# Altium PCB BB.PcbDoc (part 7 of 9) (continued)
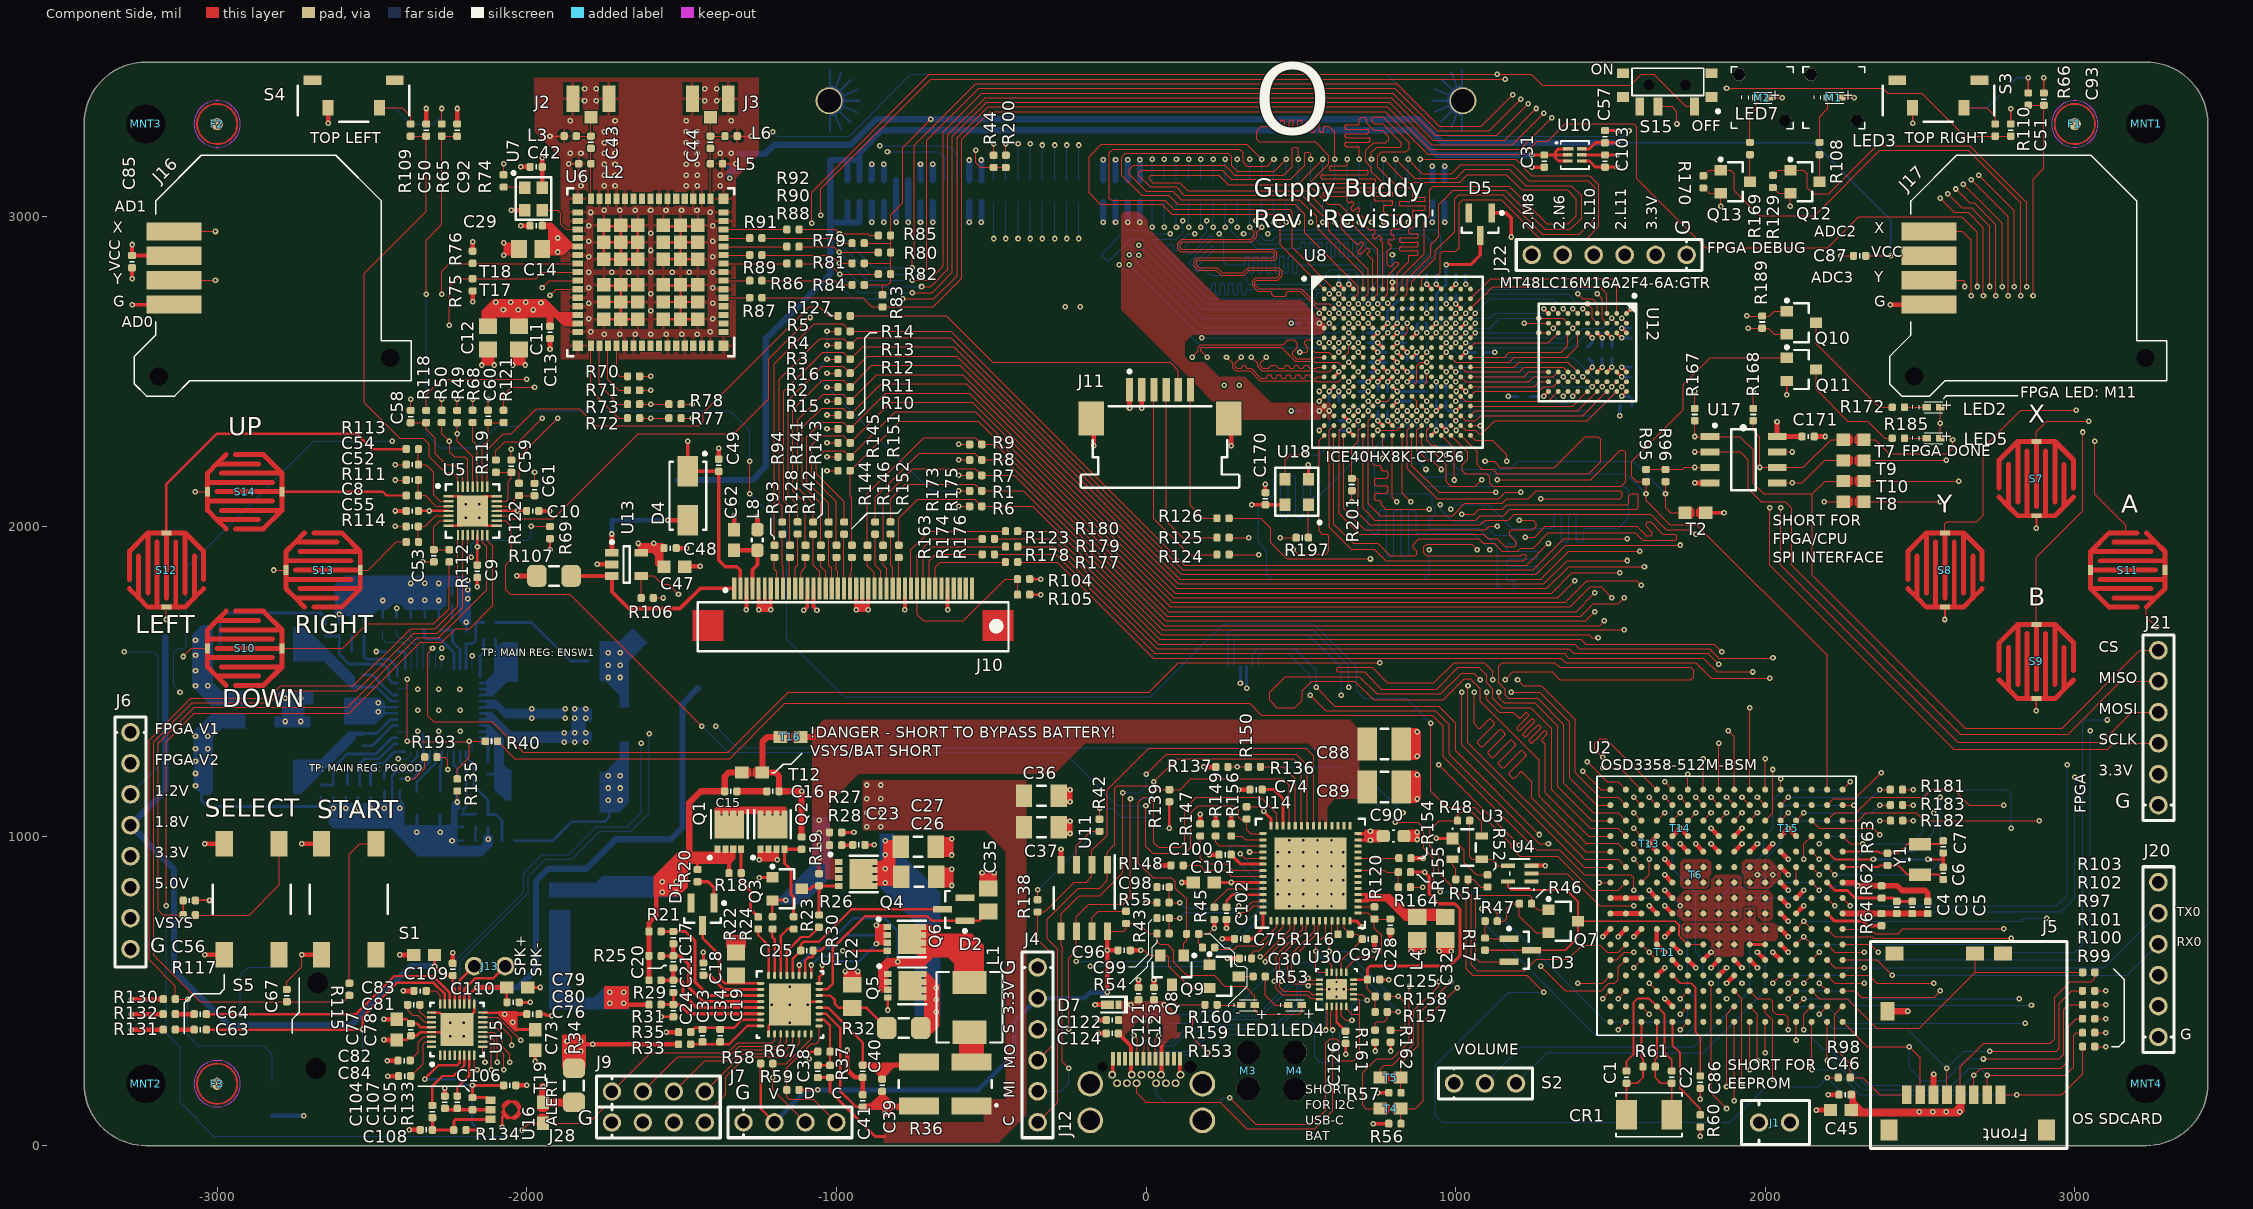
[diagram p0: Component Side view]
## Nets (pads, with @x,y where several pads share a name; then routed paths per layer and width w, separated by ;. In a path a pad name is that pad's centre, name@x,y a point inside that pad or via, vN(x,y) a via of type N, cw(c..) or ccw(c..) an arc to the next point about the centre after c; other vN are vias at no path point) (continued)
  Solder Side w4: v1(969.29,2625) 985.04,2640.75 1111.02,2640.75 1142.52,2672.24 v1(1268.5,2672.24)
SDRAM_ADDR12: U8.D16 U12.G1 | length 360.6
  Component Side w4: U8.D16@1048.03,2672.24 v1(1063.78,2687.99) ; v1(1347.24,2703.74) U12.G1@1362.99,2687.99
  Solder Side w4: v1(1063.78,2687.99) 1111.02,2735.24 1315.75,2735.24 v1(1347.24,2703.74)
SDRAM_BANK0: U8.J15 U12.G7 | length 366
  Component Side w4: U8.J15@1016.54,2514.76 1032.28,2499.01 1205.51,2499.01 1221.26,2514.76 1347.24,2514.76 U12.G7@1362.99,2499.02
SDRAM_BANK1: U8.J14 U12.G8 | length 397.5
  Component Side w4: U8.J14@985.04,2514.76 v1(1000.79,2499.02) ; v1(1347.24,2483.27) U12.G8@1362.99,2467.52
  Solder Side w4: v1(1000.79,2499.02) 1331.5,2499.02 v1(1347.24,2483.27)
SDRAM_CAS_N: U8.J16 U12.F7 | length 366
  Component Side w4: U8.J16@1048.03,2514.76 1126.77,2514.76 1189.76,2514.76 1205.51,2530.51 1362.99,2530.51 U12.F7@1394.49,2499.02
SDRAM_CLK: U8.H11 U12.F2 | length 568
  Component Side w4: U8.H11@890.55,2546.26 v1(906.3,2562.01) ; v1(1378.74,2640.75) U12.F2@1394.49,2656.5
  Solder Side w4: v1(906.3,2562.01) 906.3,2593.5 922.05,2609.25 1347.24,2609.25 v1(1378.74,2640.75)
SDRAM_CLK_EN: U8.H14 U12.F3 | length 480.6
  Component Side w4: U8.H14@985.04,2546.26 1000.79,2530.51 1174.02,2530.51 1189.76,2546.26 1359.25,2546.26 1394.49,2581.5 U12.F3@1394.49,2625
SDRAM_CS_N: U8.L14 U12.G9 | length 422.7
  Component Side w4: U8.L14@985.98,2451.77 v1(1001.73,2436.02) ; v1(1347.24,2420.28) U12.G9@1362.99,2436.02
  Solder Side w4: v1(1001.73,2436.02) 1033.23,2467.52 1300,2467.52 v1(1347.24,2420.28)
SDRAM_D0: U8.R14 U12.A8 | length 637.7
  Component Side w4: U8.R14@985.98,2325.79 v1(1001.73,2310.04) ; v1(1536.22,2451.77) U12.A8@1551.97,2467.52
  Solder Side w4: v1(1001.73,2310.04) 1049.96,2358.27 1442.72,2358.27 v1(1536.22,2451.77)
SDRAM_D1: U8.R15 U12.B9 | length 571.2
  Component Side w4: U8.R15@1016.54,2325.79 1032.28,2310.04 1064.63,2310.04 1075,2299.67 1084.9,2299.67 1126.77,2341.54 1425.98,2341.54 U12.B9@1520.47,2436.02
SDRAM_D2: U8.P14 U12.B8 | length 594.1
  Component Side w4: U8.P14@985.04,2357.28 v1(1000.79,2341.53) ; v1(1504.72,2451.77) U12.B8@1520.47,2467.52
  Solder Side w4: v1(1000.79,2341.53) 1032.28,2373.03 1425.98,2373.03 v1(1504.72,2451.77)
SDRAM_D3: U8.P15 U12.C9 | length 518.1
  Component Side w4: U8.P15@1016.54,2357.28 1032.28,2341.54 1063.78,2341.54 1080.51,2358.27 1411.22,2358.27 U12.C9@1488.98,2436.02
SDRAM_D4: U8.G13 U12.C8 | length 606.9
  Component Side w4: U8.G13@953.54,2577.76 v1(969.29,2593.5) ; v1(1473.23,2451.77) U12.C8@1488.98,2467.52
  Solder Side w4: v1@969.76,2593.98 1017.48,2546.26 1378.74,2546.26 v1(1473.23,2451.77)
SDRAM_D5: U8.P16 U12.D9 | length 442.1
  Component Side w4: U8.P16@1048.03,2357.28 1063.78,2373.03 1394.49,2373.03 U12.D9@1457.48,2436.02
SDRAM_D6: U8.K14 U12.D8 | length 505.1
  Component Side w4: U8.K14@985.04,2483.27 v1(1000.79,2467.52) ; v1(1441.73,2451.77) U12.D8@1457.48,2467.52
  Solder Side w4: v1(1000.79,2467.52) 1016.54,2483.27 1315.75,2483.27 1347.24,2451.77 v1(1441.73,2451.77)
SDRAM_D7: U8.N16 U12.E9 | length 397.5
  Component Side w4: U8.N16@1048.03,2388.78 1378.74,2388.78 U12.E9@1425.98,2436.02
SDRAM_D8: U8.E14 U12.E1 | length 513.6
  Component Side w4: U8.E14@985.04,2640.75 v1(1000.79,2656.5) ; v1(1410.24,2703.74) U12.E1@1425.98,2687.99
  Inner Layer 1 w4: v1(1000.79,2656.5) 1016.54,2672.24 1016.54,2696.07 1055.7,2735.24 1378.74,2735.24 v1(1410.24,2703.74)
SDRAM_D9: U8.D15 U12.D2 | length 531.5
  Component Side w4: U8.D15@1016.54,2672.24 v1(1032.28,2687.99) ; v1(1425.98,2719.49) 1441.73,2703.74 1441.73,2672.24 U12.D2@1457.48,2656.5
  Solder Side w4: v1(1032.28,2687.99) 1095.73,2751.44 1361.55,2751.44 1393.5,2719.49 v1(1425.98,2719.49)
SDRAM_D10: U8.E13 U12.D1 | length 613.9
  Component Side w4: U8.E13@953.54,2640.75 v1(969.29,2656.5) ; v1@1394.49,2750.98 1410.24,2735.24 1441.73,2735.24 1457.48,2719.49 U12.D1@1457.48,2687.99
  Inner Layer 1 w4: v1(969.29,2656.5) 969.29,2677.71 995.32,2703.74 1007.87,2703.74 1016.54,2712.41 1016.54,2724.54 1043.44,2751.44 v1(1394.49,2751.44)
SDRAM_D11: U8.D14 U12.C2 | length 625.9
  Component Side w4: U8.D14@985.04,2672.24 v1(1000.79,2687.99) ; v1(1457.48,2751.44) 1473.23,2735.69 1473.23,2672.24 U12.C2@1488.98,2656.5
  Solder Side w4: v1(1000.79,2687.99) 1079.53,2766.73 1442.19,2766.73 v1(1457.48,2751.44)
SDRAM_D12: U8.C16 U12.C1 | length 543.7
  Component Side w4: U8.C16@1048.03,2703.74 1119.29,2775 1465.41,2775 1488.98,2751.44 U12.C1@1488.98,2687.99
SDRAM_D13: U8.G15 U12.B2 | length 550.1
  Component Side w4: U8.G15@1016.54,2577.76 v1(1032.28,2593.5) ; v1@1504.35,2672.62 U12.B2@1520.47,2656.5
  Solder Side w4: v1(1032.28,2593.5) 1362.99,2593.5 1410.24,2640.75 1473.23,2640.75 v1(1504.72,2672.24)
SDRAM_D14: U8.B16 U12.B1 | length 601
  Component Side w4: U8.B16@1048.03,2735.24 1112.8,2800 1502.95,2800 1519.72,2783.23 1519.72,2688.74 U12.B1@1520.47,2687.99
SDRAM_D15: U8.G14 U12.A2 | length 626.3
  Component Side w4: U8.G14@985.04,2577.76 v1(1000.79,2593.5) ; v1(1536.22,2672.24) U12.A2@1551.97,2656.5
  Solder Side w4: v1(1000.79,2593.5) 1016.54,2577.76 1378.74,2577.76 1426.74,2625.75 1448.57,2625.75 1449.32,2625 1465.64,2625 1466.39,2625.75 1489.73,2625.75 v1(1536.22,2672.24)
SDRAM_DM_H: U8.E16 U12.F1 | length 379.1
  Component Side w4: U8.E16@1048.03,2640.75 v1(1063.78,2656.5) ; v1(1378.74,2703.74) U12.F1@1394.49,2687.99
  Inner Layer 1 w4: v1(1063.78,2656.5) 1095.28,2687.99 1362.99,2687.99 v1(1378.74,2703.74)
SDRAM_DM_L: U8.H13 U12.E8 | length 518.1
  Component Side w4: U8.H13@953.54,2546.26 v1(969.29,2562.01) ; v1(1410.24,2483.27) U12.E8@1425.98,2467.52
  Solder Side w4: v1(969.29,2562.01) 1000.79,2530.51 1362.99,2530.51 v1(1410.24,2483.27)
SDRAM_RAS_N: U8.J13 U12.F8 | length 473.6
  Component Side w4: U8.J13@953.54,2514.76 v1(969.29,2499.02) ; v1(1378.74,2483.27) U12.F8@1394.49,2467.52
  Solder Side w4: v1(969.29,2499.02) 985.04,2514.76 1347.24,2514.76 v1(1378.74,2483.27)
SDRAM_WE_N: U8.M14 U12.F9 | length 474.9
  Component Side w4: U8.M14@985.04,2420.28 v1(1000.79,2404.53) ; v1(1378.74,2420.28) U12.F9@1394.49,2436.02
  Solder Side w4: v1(1000.79,2404.53) 1032.28,2404.53 1079.53,2451.77 1284.25,2451.77 1339.59,2396.44 1354.9,2396.44 v1(1378.74,2420.28)
SELECT: R117.2 S5.1 | length 443.6
  Component Side w4: R117.2@-3070.45,745 -2897,745 -2800,842 S5.1@-2800,975
SPI0_CS0: T10.1 U2.A14 | length 2346.4
  Component Side w4: U2.A14@2250,499.82 2290.18,499.82 2310,480 2545.18,480 v1(2565,499.82) ; T10.1@2319,2146.67 v1(2625,2146.67)
  Inner Layer 1 w4: v1(2565,499.82) 2565,1005 2520,1050 2520,1430 2625,1535 v1(2625,2146.67)
SPI0_MISO: T8.1 U2.B13 | length 2157.1
  Component Side w4: U2.B13@2200,549.82 2225,524.82 v1(2320,524.82) ; T8.1@2319,2080 v1(2565,2080)
  Inner Layer 1 w4: v1(2320,524.82) 2439.82,524.82 2505,590 2505,892 2440,957 2440,1190 2460,1210 2460,1450 2535,1525 2535,1730 2565,1760 v1(2565,2080)
SPI0_MOSI: T9.1 U2.B14 | length 2443.9
  Component Side w4: v1(2175,524.82) U2.B14@2200,499.82 ; T9.1@2319,2213.33 v1(2585,2213.33)
  Inner Layer 1 w4: v1(2175,524.82) 2198.82,501 2510.9,501 2524.9,515 2524.9,898 2460,962.9 2460,1180 2480,1200 2480,1440 2555,1515 2555,1720 2585,1750 v1(2585,2213.33)
SPI0_SCLK: T7.1 U2.A13 | length 2462.2
  Component Side w4: U2.A13@2250,549.82 2335,549.82 2360,524.82 2360.18,525 v1(2545,525) ; T7.1@2319,2280 2355,2280 2400,2235 2588,2235 2605,2252 v1(2605,2280)
  Inner Layer 1 w4: v1(2545,525) 2545,998 2500,1043 2500,1435 2605,1540 v1(2605,2280)
SPI_CLK: J4.3 U11.6 U14.37 | length 1821.8
  Component Side w4: v1@-249.9,374.96 v1(-249.9,375.63) -249.9,606.16 -224.53,631.53 U11.6@-224.53,692.6 -224.53,739.47 -185,779 -73.03,779 -50.08,801.95 v1(-50.08,1120) ; v1(25,1174.69) 100.31,1250 475,1250 501.73,1223.27 U14.37@501.73,1033.15
  Solder Side w4: J4.3@-350,375.63 v1(-249.9,375.63) ; v1(-50.08,1120) 7,1120 25,1138 v1(25,1174.69)
SPI_CS_N: J4.6 R139.2 U11.1 U14.39 | length 1975.7
  Component Side w4: J4.6@-350,75.63 -285,140.63 -285,635.14 -319,669.14 -319,732 -218.83,832.17 -149.61,832.17 -124.53,857.24 U11.1@-124.53,907.17 -124.53,948.47 -100.16,972.84 -100.16,1154.84 -93,1162 3.41,1162 15.41,1150 R139.2@75.31,1150 110,1150 145,1185 441,1185 462.36,1163.64 U14.39@462.36,1033.15
SPI_FPGA_CS0: J21.6 R167.2 T10.2 U8.R12 U17.1 | length 3341.7
  Component Side w4: U8.R12@922.05,2325.79 906.3,2310.04 906.3,2278.54 922.05,2262.8 936.5,2262.8 v1(969.29,2230) ; R167.2@1772.44,2341.53 v1(1772.44,2290.55) U17.1@1821.65,2290.55 1917.91,2290.55 1961.42,2247.05 1961.42,2139.04 1995.14,2105.31 2152,2105.31 ; T10.2@2252.07,2146.67 2193.35,2146.67 2152,2105.31 ; J21.6@3270,1600 3210,1600 2959,1349 2646,1349 2152,1843 2152,2105.31
  Inner Layer 2 w4: v1(969.29,2230) 986.34,2247.05 1728.94,2247.05 v1(1772.44,2290.55)
SPI_FPGA_MISO: J21.5 T8.2 U8.P12 U17.2 | length 3711.1
  Component Side w4: v1(906.3,2341.54) U8.P12@922.05,2357.28 ; v1(1772.44,2240.55) U17.2@1821.65,2240.55 1919.49,2240.55 1945.67,2214.37 1945.67,2121.06 1986.73,2080 2064,2080 2085,2059 2085,1874 2630,1329 2978,1329 3149,1500 J21.5@3270,1500 ; v1(2190,2080) T8.2@2252.07,2080
  Inner Layer 2 w4: v1(1015,2230) 1735,2230 1745.55,2240.55 v1(1772.44,2240.55) 1877.45,2240.55 1986,2132 1986,2053 2011,2028 2138,2028 v1(2190,2080)
  Solder Side w4: v1(906.3,2341.54) 906.3,2294.29 937.8,2262.8 982.2,2262.8 v1(1015,2230)
SPI_FPGA_MOSI: J21.4 T9.2 U8.P11 U17.5 | length 3591.4
  Component Side w4: v1(874.8,2341.54) U8.P11@890.55,2357.28 ; U17.5@2038.19,2140.55 v1(2087.4,2140.55) 2119.55,2140.55 2192.33,2213.33 T9.2@2252.07,2213.33 ; v1(2050,2060) 2050,1875 2622,1303 3087,1303 3184,1400 J21.4@3270,1400
  Inner Layer 2 w4: v1(904.33,2184.06) 904.33,2229.33 953.54,2278.54 1677.95,2278.54 1725.2,2325.79 1957.21,2325.79 2087.4,2195.6 v1(2087.4,2140.55) 2087.4,2097.4 v1(2050,2060)
  Solder Side w4: v1(874.8,2341.54) 874.8,2213.58 v1(904.33,2184.06)
SPI_FPGA_SCLK: J21.3 R168.2 T7.2 U8.R11 U17.6 | length 3674.9
  Component Side w4: U8.R11@890.55,2325.79 874.8,2310.04 874.8,2247.05 906.3,2215.55 922.05,2215.55 v1(953.54,2184.06) ; R168.2@1961.42,2341.54 1961.42,2310.04 1983,2288.46 v1(1983,2190.55) U17.6@2038.19,2190.55 2087.4,2190.55 2123.55,2190.55 2213,2280 T7.2@2252.07,2280 ; v1(2015,2060) 2015,1875 2609,1281 3106,1281 3125,1300 J21.3@3270,1300
  Inner Layer 2 w4: v1(953.54,2184.06) 937.79,2199.8 937.79,2231.3 969.29,2262.8 1693.7,2262.8 1740.94,2310.04 1863.51,2310.04 v1(1983,2190.55) 2015,2158.55 v1(2015,2060)
SPI_MISO: J4.4 R138.2 U11.2 U14.35 | length 2002
  Component Side w4: J4.4@-350,275.63 -300,325.63 -300,615 -350,665 R138.2@-350,755 -327,755 -231.35,850.65 -193.66,850.65 -174.53,869.78 U11.2@-174.53,907.17 -174.53,953.47 -124.76,1003.24 -124.76,1150.24 8.92,1283.92 515.75,1283.92 541.1,1258.56 U14.35@541.1,1033.15
SPI_MOSI: J4.5 U11.5 U14.36 | length 2063.7
  Component Side w4: v1(-249.9,250.67) -270,270.77 -270,641 -274.53,645.53 U11.5@-274.53,692.6 -274.53,748.47 -215.74,807.26 -149.43,807.26 -74.61,882.09 ; -75.08,882.09 v1(-75.08,1140) ; v1(0.12,1200) 65.12,1265 485,1265 521.42,1228.58 U14.36@521.42,1033.15
  Solder Side w4: J4.5@-350,175.63 -274.15,175.63 -249.9,199.88 v1(-249.9,250.67) ; v1(-75.08,1140) -21,1140 0.12,1161.12 v1(0.12,1200)
SS_AM: Q8.1 R160.1 U14.41 | length 1385.7
  Component Side w4: Q8.1@121.4,614.24 121.4,654.4 131,664 R160.1@131,684 131,795.34 95,831.34 95,851.65 81.65,865 22.8,865 -24.67,912.47 -24.67,1109.68 -9.35,1125 6.85,1125 25,1106.85 25,978.97 40.23,963.74 111.04,963.74 125,977.7 125,1086.93 163.07,1125 370,1125 422.99,1072.01 U14.41@422.99,1033.15
SS_EN: U14.19
SS_POL: Q9.1 R159.1 U14.2 | length 311.4
  Component Side w4: Q9.1@205,584 205,623.32 216.68,635 284.96,635 294.96,645 361.61,645 422.99,706.38 U14.2@422.99,726.06
START: R115.2 S1.1 | length 517.5
  Component Side w4: R115.2@-2573,524.75 -2573,942 -2540,975 S1.1@-2486.42,975
SYS_ADC_1P8V: C5.2 R62.2 S2.3 U2.A7 | length 1847.3
  Component Side w18: U2.A7@2250,849.82 2288.18,849.82 v1(2298.81,839.19) R62.2@2376,839.19 2426.94,839.19 2441.89,824.24 2516.37,824.24 2525,815.61 C5.2@2525,789.08
  Solder Side w4: S2.3@1195,201 1294,300 1800,300 2000,500 2000,779 2021,800 2179.81,800 2219,839.19 v1(2298.81,839.19)
SYS_RTC_1P8V: D3.3 Q7.3 R17.1 U2.K11 U2.L11 U4.5 | length 1153.9
  Component Side w4: U2.L11@1750,649.82 U2.K11@1800,649.82
  Component Side w6: R17.1@1095,631.2 D3.3@1245.2,631.2 1354.2,631.2 1395,672 Q7.3@1395,724.82 ; U4.5@1169.2,853.41 1169.2,834.8 1178,826 1358.1,826 1395,789.1 Q7.3@1395,724.82 ; U2.L11@1750,649.82 1721,678.82 1721,713.82 1710,724.82 Q7.3@1395,724.82
SYS_VDD1_3P3V: C45.2 C46.2 J5.4 R1.2 R2.2 R3.2 R4.2 R5.2 R48.1 R97.1 R98.1 R99.1 R100.1 R101.1 R102.1 R103.1 U2.F6 U2.F7 U2.G6 U2.G7 U3.4 | length 9165.8
  Component Side w4: v1(-1030.32,2450) R2.2@-994.68,2450 ; v1(-1030.32,2540) R3.2@-994.69,2540 ; v1(-1030.32,2585) R4.2@-994.69,2585 ; v1(-1030.32,2630) R5.2@-994.69,2630 ; v1(-605.32,2115) R1.2@-569.69,2115 ; U3.4@1084.68,1000.23 1084.68,1046.77 1054.45,1077 1016,1077 1005.94,1066.94 R48.1@1005.94,1049.82 946.82,1049.82 916,1019 916,968 945,939 945,879.19 1035,789.19 1035,571 1056,550 1230,550 v1(1285,495) ; v1(2200.27,220) R98.1@2235.63,220 ; J5.4@2630.43,164.53 2630.43,255.06 2706,330.63 2920.63,330.63 2935,345 2935,480 2985,530 3053.38,530 3064.68,541.31 R103.1@3064.68,560 ; R99.1@3064.37,319.96 v1(3099.73,319.96) ; R100.1@3064.37,365 v1(3099.73,365) ; R101.1@3064.37,410.04 v1(3099.73,410.04) ; R97.1@3064.37,455.08 v1(3099.73,455.08) ; R102.1@3064.37,500.12 v1(3099.73,500.12)
  Inner Layer 1 w4: v1(-605.32,2115) -480.32,1990 375,1990 390,1975 390,1880 269,1759 269,1475 503,1241 547,1241 770,1018 770,824.82 879.82,715 1115,715 1285,545 v1(1285,495)
  Inner Layer 2 w4: 2629,350 3099.73,350 ; v1(3099.73,319.96) 3099.73,350 ; v1(3099.73,365) v1(3099.73,455.08) 3099.73,485.12 ; v1(3099.73,500.12) 3099.73,485.12 ; 3099.73,350 3099.73,485.12
  Solder Side w4: v1(-1030.32,2630) v1(-1030.32,2585) v1(-1030.32,2540) -1060,2510.32 -1060,2479.69 v1(-1030.32,2450) -695.32,2115 v1(-605.32,2115) ; v1(1285,495) 1171,495 935,259 935,96 955.55,75.45 1887.45,75.45 2003,191 2171.27,191 v1(2200.27,220) 2310.27,110 v1(2497,110)
  other v1: 2541,110 2585,110 2629,110 1975,874.82 2025,874.82
SYS_VDD2_3P3V: U2.F11 U2.G11 | length 50
  Component Side w10: U2.G11@1950,649.82 U2.F11@2000,649.82
SYS_VDD3_3P3V: Q7.2 R40.1 R46.2 R47.2 U2.F8 U2.F9 U2.G8 U2.H7 U2.H8 U2.H9 U2.J7 U2.J8 U2.J9 U2.K8 U2.K9 U2.L8 U2.L9 | length 5929.1
  Component Side w4: R40.1@-2094.49,1306.14 -2038.35,1250 -1345,1250 -1166,1429 335,1429 373,1391 924,1391 960,1355 960,1256 1261,955 1335,955 1415.18,874.82 1565.18,874.82 1575,865 v1(1575,825) ; v1(1085,765) 1120,765 1134.69,750.32 R47.2@1134.69,725 1155.18,725 1165,734.82 1165,767.54 1179,781.54 R46.2@1205.83,781.54 1205.83,741.51 1259.92,687.42 Q7.2@1300.51,687.42
  Solder Side w4: v1(1085,765) 1085,725 1455,355 1740,355 1775,390 1775,474.82 1750,499.82 1750,684 1725,709 v1(1725,774.82) v1@1724.64,774.82 ; v1(1575,825) 1600,800 1699.47,800 v1@1724.64,774.82 ; v1@1720,774.82 v1@1724.64,774.82
SYS_VDD_1P8V: U2.F10 U2.G9 U2.G10 U2.H10 U2.H11 U2.J10 U2.J11 U2.K10 U2.L10
SYS_VOUT: T6.1 U2.K6 U2.K7 U2.L6 U2.L7
TCK: U2.D1
TDI: U2.C1
TDO: U2.C2
TMS: U2.D2
TOUCH_INT_N: R127.1 U5.22 | length 1518
  Component Side w4: U5.22@-2127.76,2127.76 -2127.76,2247.24 -2075.33,2299.67 -2050.33,2299.67 -1970,2380 -1830,2380 -1775,2325 -1445,2325 -1430,2340 -1430,2367 -1087,2710 -1055,2710 -1025,2680 R127.1@-994.68,2680
TOUCH_PAD_INT: J8.6 U2.T13 | length 2129.8
  Component Side w4: v1(945,1230) v1(1205,970) ; v1(1395,525) 1475.18,525 U2.T13@1500,549.82
  Inner Layer 1 w4: v1(655,1480) 655,1280 705,1230 v1(945,1230) ; v1(1205,970) 1205,804 1395,614 v1(1395,525)
  Solder Side w4: J8.6@265.75,1547.24 265.75,1653.74 276.38,1664.37 540.47,1664.37 655,1549.84 v1@655,1485
TOUCH_PAD_RST_N: J8.5 U2.R12 | length 2223.5
  Component Side w4: v1(1275,579.82) 1353.82,501 1472,501 1495.39,524.39 1514.39,524.39 1526,536 1526,575.54 U2.R12@1550,599.54
  Inner Layer 1 w4: v1(630,1455) 630,1180 790,1020 790,835 895,730 1124.82,730 v1(1275,579.82)
  Solder Side w4: J8.5@285.43,1547.24 285.43,1641.93 292.13,1648.62 526.38,1648.62 630,1545 v1(630,1455)
TOUCH_RESET_N: R126.1 U2.R14 | length 2325.6
  Component Side w4: R126.1@268.5,2026.57 370.87,2026.57 403.31,1994.13 403.31,1946.89 455.2,1895 v1(725,1895) ; v1(1525,474.82) U2.R14@1550,499.82
  Inner Layer 1 w4: v1(725,1895) 725,1673.14 1084,1314.14 1084,1191 1249,1026 1249,814 1525,538 v1(1525,474.82)
TRSTN: R183.1 U2.D3 | length 325.1
  Component Side w4: U2.D3@2100,1049.82 v1(2125,1074.82) ; v1(2370,1100) R183.1@2404.33,1100
  Solder Side w4: v1(2125,1074.82) 2344.82,1074.82 v1(2370,1100)
TS1: J9.1 U1.10 | length 615.3
  Component Side w4: J9.1@-1725,174.78 -1599.78,300 -1351,300 -1319,332 -1207,332 -1199.29,339.71 U1.10@-1199.29,361
TS2: J9.2 U1.11 | length 537.5
  Component Side w4: J9.2@-1625,174.78 -1511.78,288 -1347,288 -1314,321 -1194,321 -1179.61,335.39 U1.11@-1179.61,361
TS3: J9.3 U1.12 | length 457.4
  Component Side w4: J9.3@-1525,174.78 -1425.04,274.75 -1342.63,274.75 -1308,309.37 -1185.63,309.37 -1159.92,335.08 U1.12@-1159.92,361
TS4: J9.4 U1.13 | length 379
  Component Side w4: J9.4@-1425,174.78 -1339.78,260 -1302.39,297.39 -1174.61,297.39 -1140.24,331.76 U1.13@-1140.24,361
UART0_RX: J20.4 U2.A12 | length 1082.6
  Component Side w4: U2.A12@2250,599.82 2360,599.82 v1(2410,549.82)
  Solder Side w4: v1(2410,549.82) 3168.82,549.82 J20.4@3270,651
UART0_TX: J20.5 U2.B12 | length 1153.3
  Component Side w4: U2.B12@2200,599.82 2225,574.82 v1(2320,574.82)
  Solder Side w4: v1(2320,574.82) 2542.82,574.82 3093.82,574.82 J20.5@3270,751
UART3_CTSN: R72.1 R77.2 U2.E13 | length 8899.6
  Component Side w4: R72.1@-1635.63,2350 v1(-1600,2350) R77.2@-1541,2350 R77.2@-1539,2350 ; v1(2025,524.82) U2.E13@2050,549.82
  Inner Layer 1 w4: v1(-1600,2350) -1624,2374 -1624,2491 -1605,2510 -1340,2510 -1175,2675 -1175,2987.57 -1092.57,3070 -642.57,3070 -568.01,3144.57 -498.61,3144.57 -434,3209.17 -434,3256 -415,3275 573,3275 630,3218 630,3165.73 720.73,3075 1310,3075 1400,2985 1790,2985 1920,2855 2900,2855 2965,2790 2965,2280 3050,2195 v1(3050,1340)
  Solder Side w4: v1(2025,524.82) 2050.18,550 2248,550 2297.82,599.82 3014.82,599.82 3050,635 v1(3050,1340)
UART3_RTSN: R73.1 R78.2 U2.D13 | length 8581.9
  Component Side w4: R73.1@-1635.63,2395 v1(-1600,2395) R78.2@-1539,2395 ; v1(2075,524.82) U2.D13@2100,549.82
  Inner Layer 1 w4: v1(-1600,2395) -1540,2455 -1320,2455 -1131,2644 -1131,2969 -1074,3026 -624.35,3026 -549.78,3100.57 -480.38,3100.57 -399.95,3181 -182.99,3181 -133.99,3230 495,3230 512,3213 512,3165.62 647.62,3030 1286.21,3030 1376.21,2940 1775,2940 1905,2810 2885,2810 2905,2790 2905,2255.15 3005,2155.15 3005,1445 2820,1260 v1(2820,475)
  Solder Side w4: v1(2075,524.82) 2099.82,500 2290,500 2315,475 v1(2820,475)
UART3_RXD: R71.1 U2.D14 | length 8641.8
  Component Side w4: R71.1@-1635.63,2440 v1(-1600,2440) ; v1(2075,474.82) U2.D14@2100,499.82
  Inner Layer 1 w4: v1(-1600,2440) -1570,2470 -1330,2470 -1145,2655 -1145,2974.8 -1079.8,3040 -630.15,3040 -555.58,3114.57 -486.18,3114.57 -405.75,3195 -188.79,3195 -139.79,3244 525,3244 551.17,3217.82 551.17,3165.81 671.99,3045 1292.43,3045 1382.43,2955 1780,2955 1910,2825 2890.08,2825 2925,2790.08 2925,2263.43 3020,2168.43 3020,1435 2840,1255 v1(2840,395.04)
  Solder Side w4: v1(2075,474.82) 2099.82,450 2201,450 2255.96,395.04 v1(2840,395.04)
UART3_TXD: R70.1 U2.D15 | length 8536.5
  Component Side w4: R70.1@-1635.63,2485 v1(-1600,2485) ; U2.D15@2100,449.82 v1(2125,474.82)
  Inner Layer 1 w4: v1@-1600,2484.65 -1340.55,2484.65 -1160,2665.2 -1160,2981.36 -1086.36,3055 -636.36,3055 -561.79,3129.57 -492.39,3129.57 -411.96,3210 -195,3210 -146,3259 551,3259 590,3220 590,3167.31 697.32,3060 1300,3060 1390,2970 1785,2970 1915,2840 2895,2840 2945,2790 2945,2271.72 3035,2181.72 3035,1425 2860,1250 v1(2860,454)
  Solder Side w4: v1(2125,474.82) 2265.81,474.82 2286.63,454 v1(2860,454)
USB_2P0_N: U2.L16 U14.5 | length 1783.5
  Component Side w4: v1(385.54,594.39) 385.54,602.17 478.2,694.83 478.2,707.91 482.05,711.75 U14.5@482.05,726.06 ; v1(1725,374.82) U2.L16@1750,399.82
  Inner Layer 1 w4: v1(385.54,594.39) 385.54,605 459.54,679 1039.69,679 1397.69,321 1608,321 1682.82,395.82 1704,395.82 v1(1725,374.82)
  Solder Side w4: v1(385.54,594.39) v1@385.54,602.17
USB_2P0_P: U2.L15 U14.4 | length 1780.2
  Component Side w4: v1(369.28,610.66) 377.06,610.66 466.2,699.8 466.2,707.91 462.36,711.75 U14.4@462.36,726.06 ; v1(1725,424.82) U2.L15@1750,449.82
  Inner Layer 1 w4: v1(369.28,610.66) 379.89,610.66 456.23,687 1043,687 1401,329 1604.69,329 1679.51,403.82 1704,403.82 v1(1725,424.82)
  Solder Side w4: v1(369.28,610.66) v1@377.06,610.66
USB_3V3: C96.2 C101.2 C125.2 J4.2 J7.2 LED1.1 LED4.1 R42.1 R43.1 R54.2 R58.1 R59.1 R138.1 R139.1 R147.1 R150.1 R155.2 R157.1 R158.1 U11.8 U14.42 U14.51 U30.10 | length 4619.9
  Component Side w4: R138.1@-350,794.37 v1(-350,827) ; R42.1@-150.08,1054.33 -150,1054.41 v1(-150,1090) ; U11.8@-124.53,692.6 -72.67,692.6 -64.53,700.74 R43.1@-64.53,717.76 -23.82,717.76 8.97,684.96 35.63,684.96 35.63,659.37 45,650 70,650 89.68,630.32 89.68,592.32 132,550 220,550 255,515 320,515 351.65,483.35 LED1.1@351.65,454.08 351.65,437.35 364,425 495,425 502.65,432.65 LED4.1@502.65,454.08 ; R150.1@325,1094.37 365.71,1094.37 v1(379.69,1080.39) ; C125.2@715.31,536.5 715.32,506.06 R158.1@740,481.38 ; R157.1@740,432 R158.1@740,481.38 ; R158.1@740,482 R158.1@740,481.38
  Component Side w8: R58.1@-1244.37,265 -1244.37,119.82 J7.2@-1200,75.45 ; R59.1@-1120.63,180 v1(-1060,180) ; v1(75.31,1025.31) R139.1@75.31,1110.63 ; U30.10@670.43,536.5 C125.2@715.31,536.5
  Component Side w10: C101.2@220,850.08 v1(275.35,850.08) U14.51@377.72,850.08 ; v1(379.69,1080.39) 403.31,1056.77 U14.42@403.31,1033.15 ; C125.2@715.31,536.5 715.32,571.65 723.66,580 980.39,580 1014,613.61 1014,764.31 996.77,781.54 946.46,781.54 915,813 915,868.54 v1(900,883.54) R155.2@854.37,883.54
  Component Side w15: v1(-124.76,494.86) U11.8@-124.76,683.23 ; v1(-124.53,631) C96.2@-90.24,631 ; R147.1@175,1039.58 v1(175,1070)
  Solder Side w4: v1(-350,827) -150,1027 v1(-150,1090) -108,1090 -78,1060 10,1060 44.69,1025.31 v1(75.31,1025.31)
  Solder Side w15: J7.2@-1200,75.45 -1095.45,180 v1(-1060,180) -541.13,180 -425.07,296.07 -425.07,400.57 J4.2@-350,475.63 -199.13,475.63 -179.91,494.86 v1(-124.76,494.86)
USB_FLT_N: U30.9
USB_OTG_ID: R136.1 R137.2 U2.L14 | length 2063.3
  Component Side w4: R137.2@264.65,1223.27 v1(294.96,1223.27) R136.1@330.59,1223.27 ; v1(805,1045) 878,1045 897,1026 897,960 930.1,926.9 930.1,840 v1(950,820.1) ; v1(1725,474.82) U2.L14@1750,499.82
  Solder Side w4: v1(294.96,1223.27) 626.73,1223.27 v1(805,1045) ; v1(950,820.1) 1064.9,820.1 1485,400 1735,400 1750,415 1750,449.82 v1(1725,474.82)
USB_RST_IN: R154.1 U14.24 | length 131.9
  Component Side w4: U14.24@684.8,928.82 R154.1@816.69,928.82
USB_RST_OUT_N: U14.21
USB_V5P0: C90.2 U14.14 U14.27 U14.28 | length 430.1
  Component Side w10: U14.14@659.21,726.06 678.9,726.06 v1(698.58,706.38) ; U14.27@684.8,987.87 v1@716.3,987.87 ; U14.28@684.8,1007.56 716.3,1007.56
  Inner Layer 1 w10: v1(698.58,706.38) 725,732.8 v1(725,985.91) v1(725,1015)
USBC_DBG0: U14.23
USBC_DBG1: U14.20
V1P2: C103.2 C136.2 C161.2 C162.2 C163.2 C164.2 C165.2 J6.3 R38.1 R39.1 U8.A14 U8.F6 U8.F10 U8.K6 U8.K10 U8.L2 U10.5 | length 7841
  Component Side w10: v1(591.34,2436.02) U8.L2@607.09,2451.77 ; v1(717.32,2467.52) U8.K6@733.07,2483.27 ; U8.F6@733.07,2609.25 v1(748.82,2625) ; v1(843.31,2467.52) U8.K10@859.05,2483.27 ; U8.F10@859.06,2609.25 v1(874.8,2625) ; U8.A14@985.04,2766.73 v1(1000.79,2782.48) ; U10.5@1407.64,3200 C103.2@1482.64,3200 v1(1522.64,3200)
  Inner Layer 1 w4: v1(-3300,1595) -3300,3110 -3245,3165 -2143.56,3165 -2037.2,3058.64 -1376.36,3058.64 -1205,3230 v1(-1205,3275)
  Solder Side w4: v1(-3300,1595) -3205,1595 -3190,1580 -3190,1225 J6.3@-3280,1135 ; v1(-1205,3275) -1190.81,3260.81 -959.19,3260.81 -760,3460 780,3460 980,3260 1540,3260 1560,3280 v1(1560,3278.74)
  Solder Side w10: C165.2@591.34,2404.53 v1(591.34,2436.02) ; C161.2@685.83,2467.52 v1(717.32,2467.52) ; C163.2@717.32,2625.7 v1@748.82,2625.7 ; v1(843.31,2467.52) R38.1@907,2467.52 ; v1(874.8,2625) 874.8,2652.8 C162.2@878.5,2656.5 ; v1(906.3,2687.99) R39.1@906.3,2720.55 ; v1(1000.79,2782.48) C136.2@1000.79,2813.98
V1P8: C14.2 C29.2 C42.2 C57.2 C85.2 C87.2 C109.2 C110.2 J6.4 J16.2 J17.2 R74.1 R79.1 R80.1 R81.1 R82.1 R83.1 R84.1 R85.1 U6.38 U7.4 U10.6 U15.21 | length 7986.8
  Component Side w4: J16.2@-3140.73,2875 J16.2@-3139.75,2874.02 ; R74.1@-2075,3135.81 v1(-2075,3171.44) ; R81.1@-920.63,2850 R81.1@-910,2850 -825,2850 ; R84.1@-910,2780.1 -851,2780.1 ; R79.1@-910,2915 -825,2915 ; R83.1@-851,2748.37 -851,2780.1 ; R82.1@-830.63,2815 R82.1@-825,2815 ; R80.1@-830.63,2885 R80.1@-825,2885 ; v1(-695,3315) -786,3224 -786,3046 -825,3007 R85.1@-825,2940 -825,2915 ; C87.2@2324.69,2874.02 v1(2405,2874.02) J17.2@2529.55,2874.02 ; -851,2780.1 -834.22,2780.1 -825,2789.31 R82.1@-825,2815 ; R82.1@-825,2815 -825,2850 ; -825,2850 R80.1@-825,2885 ; R80.1@-825,2885 -825,2915
  Component Side w8: C109.2@-2298,617 C109.2@-2298,616 v1(-2298,580) -2267.42,549.42 C110.2@-2239.42,549.42 -2239.42,514 -2232.87,507.45 U15.21@-2232.87,457.6
  Component Side w10: U10.6@1407.64,3219.68 1432.32,3219.69 1452.01,3239.37 C57.2@1482.64,3239.37 v1(1522.64,3239.37)
  Component Side w12: v1(-3275,2910.63) C85.2@-3275,2875 J16.2@-3140.73,2875
  Component Side w15: U7.4@-1950,3094.27 C42.2@-1950,3161.44 v1(-1950,3191.44)
  Solder Side w5: v1(1522.64,3239.37) 2156.63,3239.37 2405,2991 v1(2405,2874.02)
  Solder Side w20: -3168,1642 -3168,1147 J6.4@-3280,1035 -3139.75,894.75 -3139.75,564.75 -2965,390 -2564.82,390 -2374.82,580 v1(-2298,580) ; v1(-1345,3125) -1345,3158.91 -1334.53,3148.44 -1315.47,3148.44 ; -1315,3203 -1231,3203 -1201,3233 -954,3233 -872,3315 -714,3315 v1(-695,3315) 881,3315 956.63,3239.37 v1(1522.64,3239.37)
  other v1: -1900,2886.44 -1900,2931.67